# KiCad board WS2812B LED Ring7.kicad_pcb (continued)
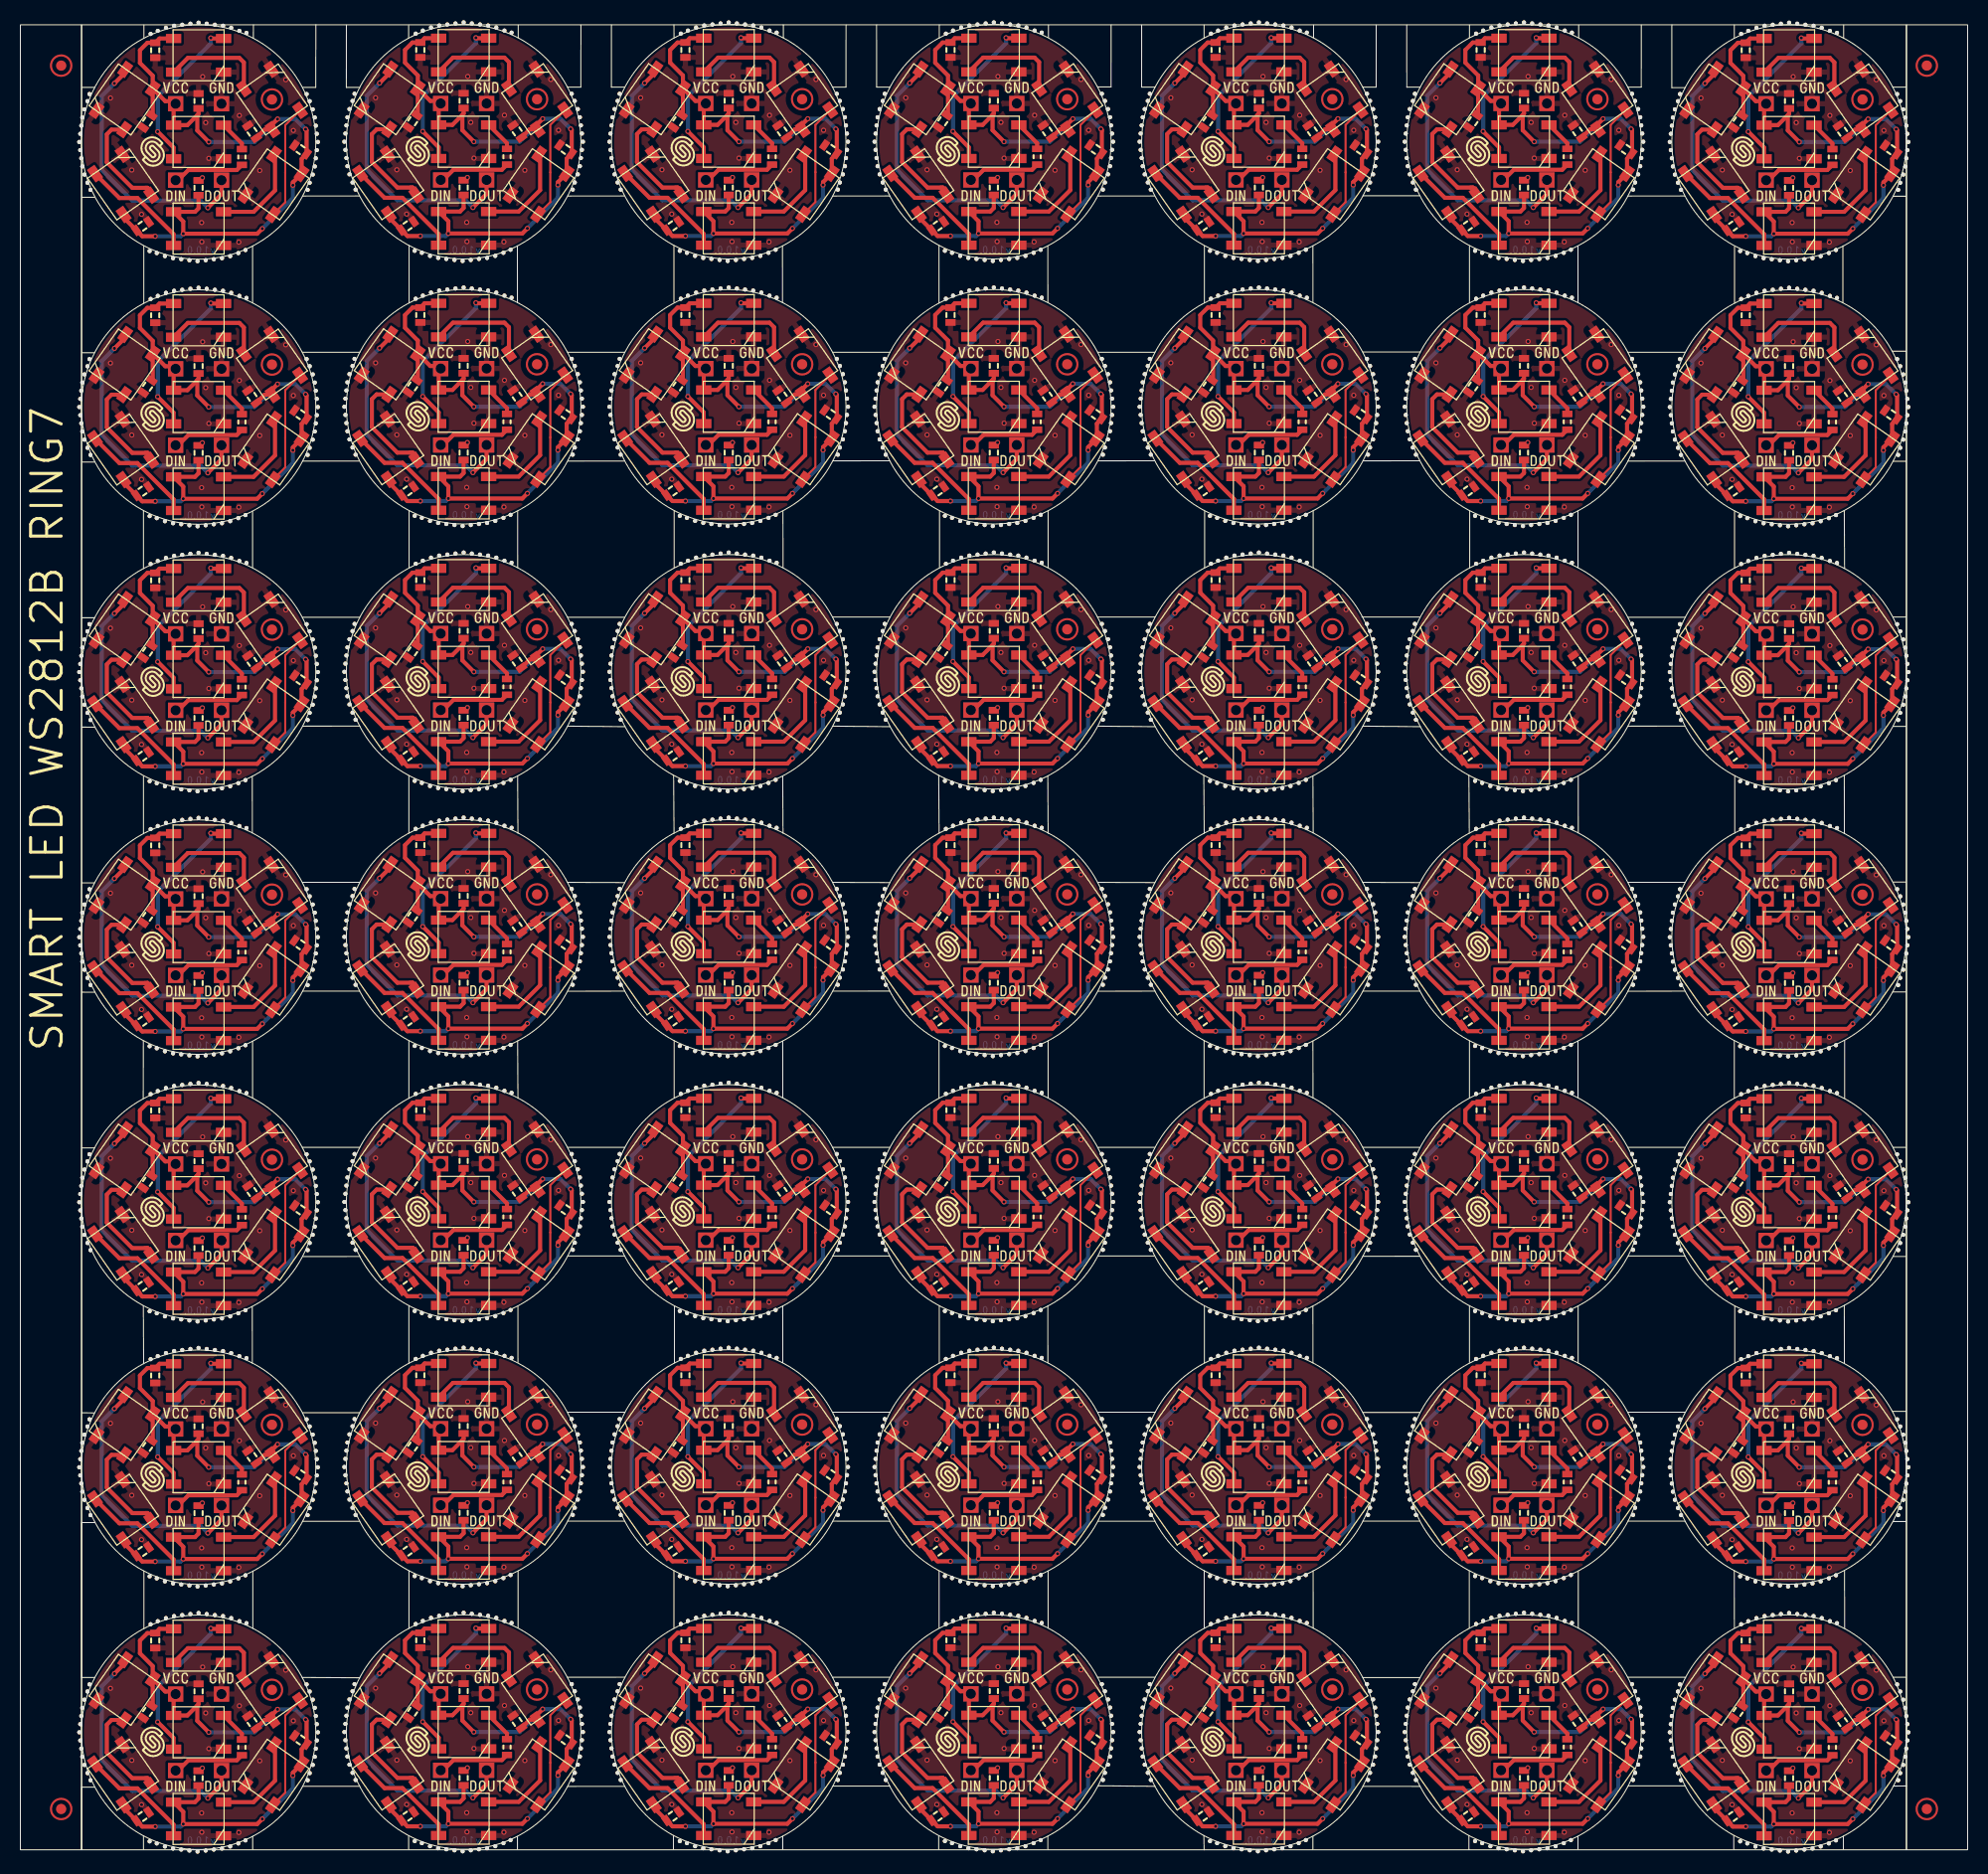
[diagram p0: board, top side]
## Placement (name value [footprint] x y rotation side) (continued)
G***#3  LOGO  [Logo-Back-OSH-3.5mm]  43.81 53.95 0 top
G***#4  LOGO  [Logo-Back-OSH-3.5mm]  69.81 27.95 0 top
G***#5  LOGO  [Logo-Back-OSH-3.5mm]  121.81 1.95 0 top
G***#6  LOGO  [Logo-Back-OSH-3.5mm]  43.81 105.95 0 top
G***#7  LOGO  [Logo-Back-OSH-3.5mm]  43.81 79.95 0 top
G***#8  LOGO  [Logo-Front-Soldered-3mm]  116.97 10.62 0 top
G***#9  LOGO  [Logo-Front-Soldered-3mm]  38.97 36.62 0 top
G***#10  LOGO  [Logo-Front-Soldered-3mm]  90.97 10.62 0 top
G***#11  LOGO  [Logo-Back-OSH-3.5mm]  121.81 27.95 0 top
G***#12  LOGO  [Logo-Back-OSH-3.5mm]  147.81 53.95 0 top
G***#13  LOGO  [Logo-Back-OSH-3.5mm]  173.81 131.92 0 top
G***#14  LOGO  [Logo-Front-Soldered-3mm]  12.97 140.59 0 top
G***#15  LOGO  [Logo-Front-Soldered-3mm]  64.97 166.62 0 top
G***#16  LOGO  [Logo-Front-Soldered-3mm]  38.97 62.62 0 top
G***#17  LOGO  [Logo-Back-OSH-3.5mm]  95.81 105.95 0 top
G***#18  LOGO  [Logo-Front-Soldered-3mm]  38.97 166.62 0 top
G***#19  LOGO  [Logo-Front-Soldered-3mm]  168.97 10.59 0 top
G***#20  LOGO  [Logo-Front-Soldered-3mm]  142.97 114.62 0 top
G***#21  LOGO  [Logo-Front-Soldered-3mm]  142.97 62.62 0 top
G***#22  LOGO  [Logo-Back-OSH-3.5mm]  147.81 27.95 0 top
G***#23  LOGO  [Logo-Front-Soldered-3mm]  90.97 166.62 0 top
G***#24  LOGO  [Logo-Back-OSH-3.5mm]  147.81 1.95 0 top
G***#25  LOGO  [Logo-Front-Soldered-3mm]  90.97 36.62 0 top
G***#26  LOGO  [Logo-Back-OSH-3.5mm]  95.81 131.95 0 top
G***#27  LOGO  [Logo-Front-Soldered-3mm]  116.97 166.62 0 top
G***#28  LOGO  [Logo-Back-OSH-3.5mm]  17.81 27.92 0 top
G***#29  LOGO  [Logo-Front-Soldered-3mm]  142.97 88.62 0 top
G***#30  LOGO  [Logo-Front-Soldered-3mm]  168.97 62.59 0 top
G***#31  LOGO  [Logo-Front-Soldered-3mm]  64.97 88.62 0 top
G***#32  LOGO  [Logo-Front-Soldered-3mm]  168.97 140.59 0 top
G***#33  LOGO  [Logo-Front-Soldered-3mm]  12.97 166.59 0 top
G***#34  LOGO  [Logo-Front-Soldered-3mm]  142.97 10.62 0 top
G***#35  LOGO  [Logo-Front-Soldered-3mm]  12.97 62.59 0 top
G***#36  LOGO  [Logo-Front-Soldered-3mm]  12.97 10.59 0 top
G***#37  LOGO  [Logo-Front-Soldered-3mm]  116.97 88.62 0 top
G***#38  LOGO  [Logo-Back-OSH-3.5mm]  173.81 79.92 0 top
G***#39  LOGO  [Logo-Back-OSH-3.5mm]  147.81 79.95 0 top
G***#40  LOGO  [Logo-Front-Soldered-3mm]  142.97 166.62 0 top
G***#41  LOGO  [Logo-Front-Soldered-3mm]  38.97 88.62 0 top
G***#42  LOGO  [Logo-Front-Soldered-3mm]  90.97 62.62 0 top
G***#43  LOGO  [Logo-Back-OSH-3.5mm]  17.81 53.92 0 top
G***#44  LOGO  [Logo-Back-OSH-3.5mm]  43.81 131.95 0 top
G***#45  LOGO  [Logo-Back-OSH-3.5mm]  69.81 157.95 0 top
G***#46  LOGO  [Logo-Back-OSH-3.5mm]  95.81 53.95 0 top
G***#47  LOGO  [Logo-Back-OSH-3.5mm]  17.81 131.92 0 top
G***#48  LOGO  [Logo-Back-OSH-3.5mm]  17.81 157.93 0 top
G***#49  LOGO  [Logo-Front-Soldered-3mm]  38.97 10.62 0 top
G***#50  LOGO  [Logo-Front-Soldered-3mm]  38.97 114.62 0 top
G***#51  LOGO  [Logo-Front-Soldered-3mm]  12.97 88.59 0 top
G***#52  LOGO  [Logo-Front-Soldered-3mm]  90.97 88.62 0 top
G***#53  LOGO  [Logo-Front-Soldered-3mm]  64.97 62.62 0 top
G***#54  LOGO  [Logo-Back-OSH-3.5mm]  121.81 157.95 0 top
G***#55  LOGO  [Logo-Back-OSH-3.5mm]  17.81 79.92 0 top
G***#56  LOGO  [Logo-Back-OSH-3.5mm]  121.81 131.95 0 top
G***#57  LOGO  [Logo-Back-OSH-3.5mm]  121.81 105.95 0 top
G***#58  LOGO  [Logo-Back-OSH-3.5mm]  43.81 1.95 0 top
G***#59  LOGO  [Logo-Front-Soldered-3mm]  64.97 114.62 0 top
G***#60  LOGO  [Logo-Front-Soldered-3mm]  116.97 36.62 0 top
G***#61  LOGO  [Logo-Front-Soldered-3mm]  168.97 166.59 0 top
G***#62  LOGO  [Logo-Front-Soldered-3mm]  12.97 114.59 0 top
G***#63  LOGO  [Logo-Back-OSH-3.5mm]  17.81 105.92 0 top
G***#64  LOGO  [Logo-Back-OSH-3.5mm]  173.81 157.93 0 top
G***#65  LOGO  [Logo-Front-Soldered-3mm]  168.97 88.59 0 top
G***#66  LOGO  [Logo-Front-Soldered-3mm]  116.97 62.62 0 top
G***#67  LOGO  [Logo-Front-Soldered-3mm]  90.97 114.62 0 top
G***#68  LOGO  [Logo-Front-Soldered-3mm]  12.97 36.59 0 top
G***#69  LOGO  [Logo-Front-Soldered-3mm]  38.97 140.62 0 top
G***#70  LOGO  [Logo-Back-OSH-3.5mm]  173.81 27.92 0 top
G***#71  LOGO  [Logo-Front-Soldered-3mm]  116.97 114.62 0 top
G***#72  LOGO  [Logo-Front-Soldered-3mm]  116.97 140.62 0 top
G***#73  LOGO  [Logo-Back-OSH-3.5mm]  121.81 79.95 0 top
G***#74  LOGO  [Logo-Back-OSH-3.5mm]  121.81 53.95 0 top
G***#75  LOGO  [Logo-Front-Soldered-3mm]  142.97 36.62 0 top
G***#76  LOGO  [Logo-Back-OSH-3.5mm]  147.81 131.95 0 top
G***#77  LOGO  [Logo-Front-Soldered-3mm]  168.97 114.59 0 top
G***#78  LOGO  [Logo-Back-OSH-3.5mm]  69.81 79.95 0 top
G***#79  LOGO  [Logo-Front-Soldered-3mm]  168.97 36.59 0 top
G***#80  LOGO  [Logo-Back-OSH-3.5mm]  173.81 105.92 0 top
G***#81  LOGO  [Logo-Back-OSH-3.5mm]  95.81 157.95 0 top
G***#82  LOGO  [Logo-Front-Soldered-3mm]  142.97 140.62 0 top
G***#83  LOGO  [Logo-Back-OSH-3.5mm]  43.81 27.95 0 top
G***#84  LOGO  [Logo-Front-Soldered-3mm]  64.97 36.62 0 top
G***#85  LOGO  [Logo-Back-OSH-3.5mm]  173.81 53.92 0 top
G***#86  LOGO  [Logo-Front-Soldered-3mm]  90.97 140.62 0 top
G***#87  LOGO  [Logo-Back-OSH-3.5mm]  173.81 1.93 0 top
G***#88  LOGO  [Logo-Back-OSH-3.5mm]  69.81 1.95 0 top
G***#89  LOGO  [Logo-Front-Soldered-3mm]  64.97 140.62 0 top
G***#90  LOGO  [Logo-Back-OSH-3.5mm]  69.81 105.95 0 top
G***#91  LOGO  [Logo-Back-OSH-3.5mm]  43.81 157.95 0 top
G***#92  LOGO  [Logo-Back-OSH-3.5mm]  69.81 53.95 0 top
G***#93  LOGO  [Logo-Front-Soldered-3mm]  64.97 10.62 0 top
G***#94  LOGO  [Logo-Back-OSH-3.5mm]  69.81 131.95 0 top
G***#95  LOGO  [Logo-Back-OSH-3.5mm]  95.81 79.95 0 top
G***#96  LOGO  [Logo-Back-OSH-3.5mm]  147.81 157.95 0 top
G***#97  LOGO  [Logo-Back-OSH-3.5mm]  95.81 1.95 0 top
G***#98  LOGO  [Logo-Back-OSH-3.5mm]  95.81 27.95 0 top
LED1  WS2812B  [WS2812B LED]  69.47 11.56 0 top
LED1#2  WS2812B  [WS2812B LED]  121.47 37.56 0 top
LED1#3  WS2812B  [WS2812B LED]  147.47 167.56 0 top
LED1#4  WS2812B  [WS2812B LED]  95.47 115.56 0 top
LED1#5  WS2812B  [WS2812B LED]  121.47 89.56 0 top
LED1#6  WS2812B  [WS2812B LED]  95.47 37.56 0 top
LED1#7  WS2812B  [WS2812B LED]  69.47 89.56 0 top
LED1#8  WS2812B  [WS2812B LED]  95.47 167.56 0 top
LED1#9  WS2812B  [WS2812B LED]  69.47 141.56 0 top
LED1#10  WS2812B  [WS2812B LED]  173.47 37.53 0 top
LED1#11  WS2812B  [WS2812B LED]  147.47 63.56 0 top
LED1#12  WS2812B  [WS2812B LED]  17.47 63.53 0 top
LED1#13  WS2812B  [WS2812B LED]  95.47 89.56 0 top
LED1#14  WS2812B  [WS2812B LED]  173.47 167.53 0 top
LED1#15  WS2812B  [WS2812B LED]  95.47 63.56 0 top
LED1#16  WS2812B  [WS2812B LED]  43.47 115.56 0 top
LED1#17  WS2812B  [WS2812B LED]  173.47 63.53 0 top
LED1#18  WS2812B  [WS2812B LED]  43.47 89.56 0 top
LED1#19  WS2812B  [WS2812B LED]  121.47 63.56 0 top
LED1#20  WS2812B  [WS2812B LED]  17.47 141.53 0 top
LED1#21  WS2812B  [WS2812B LED]  69.47 115.56 0 top
LED1#22  WS2812B  [WS2812B LED]  121.47 115.56 0 top
LED1#23  WS2812B  [WS2812B LED]  121.47 167.56 0 top
LED1#24  WS2812B  [WS2812B LED]  17.47 167.53 0 top
LED1#25  WS2812B  [WS2812B LED]  121.47 141.56 0 top
LED1#26  WS2812B  [WS2812B LED]  69.47 37.56 0 top
LED1#27  WS2812B  [WS2812B LED]  17.47 115.53 0 top
LED1#28  WS2812B  [WS2812B LED]  17.47 89.53 0 top
LED1#29  WS2812B  [WS2812B LED]  121.47 11.56 0 top
LED1#30  WS2812B  [WS2812B LED]  147.47 141.56 0 top
LED1#31  WS2812B  [WS2812B LED]  173.47 141.53 0 top
LED1#32  WS2812B  [WS2812B LED]  43.47 63.56 0 top
LED1#33  WS2812B  [WS2812B LED]  147.47 89.56 0 top
LED1#34  WS2812B  [WS2812B LED]  43.47 141.56 0 top
LED1#35  WS2812B  [WS2812B LED]  147.47 115.56 0 top
LED1#36  WS2812B  [WS2812B LED]  95.47 11.56 0 top
LED1#37  WS2812B  [WS2812B LED]  147.47 11.56 0 top
LED1#38  WS2812B  [WS2812B LED]  17.47 11.53 0 top
LED1#39  WS2812B  [WS2812B LED]  43.47 37.56 0 top
LED1#40  WS2812B  [WS2812B LED]  43.47 11.56 0 top
LED1#41  WS2812B  [WS2812B LED]  43.47 167.56 0 top
LED1#42  WS2812B  [WS2812B LED]  17.47 37.53 0 top
LED1#43  WS2812B  [WS2812B LED]  173.47 89.53 0 top
LED1#44  WS2812B  [WS2812B LED]  95.47 141.56 0 top
LED1#45  WS2812B  [WS2812B LED]  173.47 11.53 0 top
LED1#46  WS2812B  [WS2812B LED]  147.47 37.56 0 top
LED1#47  WS2812B  [WS2812B LED]  69.47 167.56 0 top
LED1#48  WS2812B  [WS2812B LED]  173.47 115.53 0 top
LED1#49  WS2812B  [WS2812B LED]  69.47 63.56 0 top
LED2  WS2812B  [WS2812B LED]  43.47 20.06 0 top
LED2#2  WS2812B  [WS2812B LED]  17.47 176.03 0 top
LED2#3  WS2812B  [WS2812B LED]  121.47 176.06 0 top
LED2#4  WS2812B  [WS2812B LED]  173.47 150.03 0 top
LED2#5  WS2812B  [WS2812B LED]  43.47 124.06 0 top
LED2#6  WS2812B  [WS2812B LED]  147.47 150.06 0 top
LED2#7  WS2812B  [WS2812B LED]  173.47 46.03 0 top
LED2#8  WS2812B  [WS2812B LED]  43.47 46.06 0 top
LED2#9  WS2812B  [WS2812B LED]  69.47 176.06 0 top
LED2#10  WS2812B  [WS2812B LED]  95.47 176.06 0 top
LED2#11  WS2812B  [WS2812B LED]  17.47 72.03 0 top
LED2#12  WS2812B  [WS2812B LED]  69.47 46.06 0 top
LED2#13  WS2812B  [WS2812B LED]  121.47 46.06 0 top
LED2#14  WS2812B  [WS2812B LED]  95.47 150.06 0 top
LED2#15  WS2812B  [WS2812B LED]  43.47 72.06 0 top
LED2#16  WS2812B  [WS2812B LED]  173.47 72.03 0 top
LED2#17  WS2812B  [WS2812B LED]  69.47 98.06 0 top
LED2#18  WS2812B  [WS2812B LED]  17.47 98.03 0 top
LED2#19  WS2812B  [WS2812B LED]  147.47 176.06 0 top
LED2#20  WS2812B  [WS2812B LED]  69.47 124.06 0 top
LED2#21  WS2812B  [WS2812B LED]  121.47 124.06 0 top
LED2#22  WS2812B  [WS2812B LED]  95.47 124.06 0 top
LED2#23  WS2812B  [WS2812B LED]  69.47 20.06 0 top
LED2#24  WS2812B  [WS2812B LED]  147.47 124.06 0 top
LED2#25  WS2812B  [WS2812B LED]  173.47 98.03 0 top
LED2#26  WS2812B  [WS2812B LED]  121.47 150.06 0 top
LED2#27  WS2812B  [WS2812B LED]  173.47 124.03 0 top
LED2#28  WS2812B  [WS2812B LED]  69.47 150.06 0 top
LED2#29  WS2812B  [WS2812B LED]  17.47 20.03 0 top
LED2#30  WS2812B  [WS2812B LED]  43.47 176.06 0 top
LED2#31  WS2812B  [WS2812B LED]  147.47 72.06 0 top
LED2#32  WS2812B  [WS2812B LED]  43.47 150.06 0 top
LED2#33  WS2812B  [WS2812B LED]  17.47 46.03 0 top
LED2#34  WS2812B  [WS2812B LED]  147.47 98.06 0 top
LED2#35  WS2812B  [WS2812B LED]  121.47 72.06 0 top
LED2#36  WS2812B  [WS2812B LED]  121.47 20.06 0 top
LED2#37  WS2812B  [WS2812B LED]  147.47 20.06 0 top
LED2#38  WS2812B  [WS2812B LED]  173.47 20.03 0 top
LED2#39  WS2812B  [WS2812B LED]  95.47 72.06 0 top
LED2#40  WS2812B  [WS2812B LED]  147.47 46.06 0 top
LED2#41  WS2812B  [WS2812B LED]  17.47 150.03 0 top
LED2#42  WS2812B  [WS2812B LED]  43.47 98.06 0 top
LED2#43  WS2812B  [WS2812B LED]  173.47 176.03 0 top
LED2#44  WS2812B  [WS2812B LED]  17.47 124.03 0 top
LED2#45  WS2812B  [WS2812B LED]  95.47 46.06 0 top
LED2#46  WS2812B  [WS2812B LED]  69.47 72.06 0 top
LED2#47  WS2812B  [WS2812B LED]  121.47 98.06 0 top
LED2#48  WS2812B  [WS2812B LED]  95.47 98.06 0 top
LED2#49  WS2812B  [WS2812B LED]  95.47 20.06 0 top
LED3  WS2812B  [WS2812B LED#3]  154.68 67.73 125 top
LED3#2  WS2812B  [WS2812B LED#3]  102.68 67.73 125 top
LED3#3  WS2812B  [WS2812B LED#3]  76.68 93.73 125 top
LED3#4  WS2812B  [WS2812B LED#3]  24.67 119.7 125 top
LED3#5  WS2812B  [WS2812B LED#3]  102.68 93.73 125 top
LED3#6  WS2812B  [WS2812B LED#3]  76.68 67.73 125 top
LED3#7  WS2812B  [WS2812B LED#3]  128.68 145.73 125 top
LED3#8  WS2812B  [WS2812B LED#3]  50.67 93.73 125 top
LED3#9  WS2812B  [WS2812B LED#3]  24.67 15.7 125 top
LED3#10  WS2812B  [WS2812B LED#3]  154.68 119.73 125 top
LED3#11  WS2812B  [WS2812B LED#3]  180.68 93.7 125 top
LED3#12  WS2812B  [WS2812B LED#3]  24.67 145.7 125 top
LED3#13  WS2812B  [WS2812B LED#3]  24.67 93.7 125 top
LED3#14  WS2812B  [WS2812B LED#3]  128.68 119.73 125 top
LED3#15  WS2812B  [WS2812B LED#3]  50.67 41.73 125 top
LED3#16  WS2812B  [WS2812B LED#3]  76.68 171.73 125 top
LED3#17  WS2812B  [WS2812B LED#3]  50.67 119.73 125 top
LED3#18  WS2812B  [WS2812B LED#3]  76.68 15.73 125 top
LED3#19  WS2812B  [WS2812B LED#3]  180.68 67.7 125 top
LED3#20  WS2812B  [WS2812B LED#3]  76.68 145.73 125 top
LED3#21  WS2812B  [WS2812B LED#3]  180.68 171.7 125 top
LED3#22  WS2812B  [WS2812B LED#3]  154.68 145.73 125 top
LED3#23  WS2812B  [WS2812B LED#3]  102.68 119.73 125 top
LED3#24  WS2812B  [WS2812B LED#3]  76.68 41.73 125 top
LED3#25  WS2812B  [WS2812B LED#3]  180.68 119.7 125 top
LED3#26  WS2812B  [WS2812B LED#3]  128.68 15.73 125 top
LED3#27  WS2812B  [WS2812B LED#3]  76.68 119.73 125 top
LED3#28  WS2812B  [WS2812B LED#3]  102.68 171.73 125 top
LED3#29  WS2812B  [WS2812B LED#3]  50.67 171.73 125 top
LED3#30  WS2812B  [WS2812B LED#3]  50.67 15.73 125 top
LED3#31  WS2812B  [WS2812B LED#3]  102.68 41.73 125 top
LED3#32  WS2812B  [WS2812B LED#3]  102.68 145.73 125 top
LED3#33  WS2812B  [WS2812B LED#3]  154.68 15.73 125 top
LED3#34  WS2812B  [WS2812B LED#3]  180.68 41.7 125 top
LED3#35  WS2812B  [WS2812B LED#3]  154.68 93.73 125 top
LED3#36  WS2812B  [WS2812B LED#3]  154.68 171.73 125 top
LED3#37  WS2812B  [WS2812B LED#3]  50.67 67.73 125 top
LED3#38  WS2812B  [WS2812B LED#3]  50.67 145.73 125 top
LED3#39  WS2812B  [WS2812B LED#3]  128.68 41.73 125 top
LED3#40  WS2812B  [WS2812B LED#3]  180.68 15.7 125 top
LED3#41  WS2812B  [WS2812B LED#3]  154.68 41.73 125 top
LED3#42  WS2812B  [WS2812B LED#3]  24.67 171.7 125 top
LED3#43  WS2812B  [WS2812B LED#3]  24.67 41.7 125 top
LED3#44  WS2812B  [WS2812B LED#3]  128.68 93.73 125 top
LED3#45  WS2812B  [WS2812B LED#3]  128.68 67.73 125 top
LED3#46  WS2812B  [WS2812B LED#3]  102.68 15.73 125 top
LED3#47  WS2812B  [WS2812B LED#3]  24.67 67.7 125 top
LED3#48  WS2812B  [WS2812B LED#3]  128.68 171.73 125 top
LED3#49  WS2812B  [WS2812B LED#3]  180.68 145.7 125 top
LED4  WS2812B  [WS2812B LED#2]  128.82 137.39 235 top
LED4#2  WS2812B  [WS2812B LED#2]  50.83 163.39 235 top
LED4#3  WS2812B  [WS2812B LED#2]  24.83 33.37 235 top
LED4#4  WS2812B  [WS2812B LED#2]  128.82 85.39 235 top
LED4#5  WS2812B  [WS2812B LED#2]  128.82 111.39 235 top
LED4#6  WS2812B  [WS2812B LED#2]  76.82 137.39 235 top
LED4#7  WS2812B  [WS2812B LED#2]  180.82 163.37 235 top
LED4#8  WS2812B  [WS2812B LED#2]  128.82 33.39 235 top
LED4#9  WS2812B  [WS2812B LED#2]  154.82 59.39 235 top
LED4#10  WS2812B  [WS2812B LED#2]  76.82 33.39 235 top
LED4#11  WS2812B  [WS2812B LED#2]  128.82 163.39 235 top
LED4#12  WS2812B  [WS2812B LED#2]  102.82 33.39 235 top
LED4#13  WS2812B  [WS2812B LED#2]  154.82 85.39 235 top
LED4#14  WS2812B  [WS2812B LED#2]  154.82 7.39 235 top
LED4#15  WS2812B  [WS2812B LED#2]  24.83 85.37 235 top
LED4#16  WS2812B  [WS2812B LED#2]  128.82 7.39 235 top
LED4#17  WS2812B  [WS2812B LED#2]  76.82 7.39 235 top
LED4#18  WS2812B  [WS2812B LED#2]  50.83 85.39 235 top
LED4#19  WS2812B  [WS2812B LED#2]  180.82 137.37 235 top
LED4#20  WS2812B  [WS2812B LED#2]  154.82 111.39 235 top
LED4#21  WS2812B  [WS2812B LED#2]  180.82 33.37 235 top
LED4#22  WS2812B  [WS2812B LED#2]  154.82 33.39 235 top
LED4#23  WS2812B  [WS2812B LED#2]  180.82 59.37 235 top
LED4#24  WS2812B  [WS2812B LED#2]  128.82 59.39 235 top
LED4#25  WS2812B  [WS2812B LED#2]  50.83 59.39 235 top
LED4#26  WS2812B  [WS2812B LED#2]  24.83 59.37 235 top
LED4#27  WS2812B  [WS2812B LED#2]  102.82 85.39 235 top
LED4#28  WS2812B  [WS2812B LED#2]  154.82 163.39 235 top
LED4#29  WS2812B  [WS2812B LED#2]  50.83 33.39 235 top
LED4#30  WS2812B  [WS2812B LED#2]  76.82 163.39 235 top
LED4#31  WS2812B  [WS2812B LED#2]  102.82 137.39 235 top
LED4#32  WS2812B  [WS2812B LED#2]  102.82 59.39 235 top
LED4#33  WS2812B  [WS2812B LED#2]  76.82 111.39 235 top
LED4#34  WS2812B  [WS2812B LED#2]  102.82 111.39 235 top
LED4#35  WS2812B  [WS2812B LED#2]  180.82 111.37 235 top
LED4#36  WS2812B  [WS2812B LED#2]  102.82 7.39 235 top
LED4#37  WS2812B  [WS2812B LED#2]  154.82 137.39 235 top
LED4#38  WS2812B  [WS2812B LED#2]  102.82 163.39 235 top
LED4#39  WS2812B  [WS2812B LED#2]  24.83 137.37 235 top
LED4#40  WS2812B  [WS2812B LED#2]  180.82 85.37 235 top
LED4#41  WS2812B  [WS2812B LED#2]  76.82 85.39 235 top
LED4#42  WS2812B  [WS2812B LED#2]  50.83 137.39 235 top
LED4#43  WS2812B  [WS2812B LED#2]  180.82 7.37 235 top
LED4#44  WS2812B  [WS2812B LED#2]  24.83 111.37 235 top
LED4#45  WS2812B  [WS2812B LED#2]  76.82 59.39 235 top
LED4#46  WS2812B  [WS2812B LED#2]  50.83 111.39 235 top
LED4#47  WS2812B  [WS2812B LED#2]  50.83 7.39 235 top
LED4#48  WS2812B  [WS2812B LED#2]  24.83 163.37 235 top
LED4#49  WS2812B  [WS2812B LED#2]  24.83 7.37 235 top
LED5  WS2812B  [WS2812B LED]  43.47 3.06 0 top
LED5#2  WS2812B  [WS2812B LED]  95.47 159.06 0 top
LED5#3  WS2812B  [WS2812B LED]  69.47 81.06 0 top
LED5#4  WS2812B  [WS2812B LED]  147.47 55.06 0 top
LED5#5  WS2812B  [WS2812B LED]  173.47 133.03 0 top
LED5#6  WS2812B  [WS2812B LED]  147.47 81.06 0 top
LED5#7  WS2812B  [WS2812B LED]  147.47 3.06 0 top
LED5#8  WS2812B  [WS2812B LED]  69.47 55.06 0 top
LED5#9  WS2812B  [WS2812B LED]  43.47 133.06 0 top
LED5#10  WS2812B  [WS2812B LED]  147.47 107.06 0 top
LED5#11  WS2812B  [WS2812B LED]  69.47 3.06 0 top
LED5#12  WS2812B  [WS2812B LED]  17.47 133.03 0 top
LED5#13  WS2812B  [WS2812B LED]  95.47 107.06 0 top
LED5#14  WS2812B  [WS2812B LED]  95.47 3.06 0 top
LED5#15  WS2812B  [WS2812B LED]  95.47 81.06 0 top
LED5#16  WS2812B  [WS2812B LED]  121.47 29.06 0 top
LED5#17  WS2812B  [WS2812B LED]  173.47 81.03 0 top
LED5#18  WS2812B  [WS2812B LED]  17.47 29.03 0 top
LED5#19  WS2812B  [WS2812B LED]  95.47 133.06 0 top
LED5#20  WS2812B  [WS2812B LED]  43.47 81.06 0 top
LED5#21  WS2812B  [WS2812B LED]  17.47 107.03 0 top
LED5#22  WS2812B  [WS2812B LED]  69.47 107.06 0 top
LED5#23  WS2812B  [WS2812B LED]  121.47 55.06 0 top
LED5#24  WS2812B  [WS2812B LED]  17.47 81.03 0 top
LED5#25  WS2812B  [WS2812B LED]  69.47 133.06 0 top
LED5#26  WS2812B  [WS2812B LED]  121.47 133.06 0 top
LED5#27  WS2812B  [WS2812B LED]  121.47 107.06 0 top
LED5#28  WS2812B  [WS2812B LED]  95.47 29.06 0 top
LED5#29  WS2812B  [WS2812B LED]  173.47 55.03 0 top
LED5#30  WS2812B  [WS2812B LED]  43.47 159.06 0 top
LED5#31  WS2812B  [WS2812B LED]  43.47 29.06 0 top
LED5#32  WS2812B  [WS2812B LED]  147.47 29.06 0 top
LED5#33  WS2812B  [WS2812B LED]  121.47 81.06 0 top
LED5#34  WS2812B  [WS2812B LED]  147.47 133.06 0 top
LED5#35  WS2812B  [WS2812B LED]  147.47 159.06 0 top
LED5#36  WS2812B  [WS2812B LED]  173.47 159.03 0 top
LED5#37  WS2812B  [WS2812B LED]  173.47 29.03 0 top
LED5#38  WS2812B  [WS2812B LED]  173.47 107.03 0 top
LED5#39  WS2812B  [WS2812B LED]  43.47 55.06 0 top
LED5#40  WS2812B  [WS2812B LED]  43.47 107.06 0 top
LED5#41  WS2812B  [WS2812B LED]  69.47 159.06 0 top
LED5#42  WS2812B  [WS2812B LED]  173.47 3.03 0 top
LED5#43  WS2812B  [WS2812B LED]  17.47 159.03 0 top
LED5#44  WS2812B  [WS2812B LED]  121.47 159.06 0 top
LED5#45  WS2812B  [WS2812B LED]  17.47 3.03 0 top
LED5#46  WS2812B  [WS2812B LED]  121.47 3.06 0 top
LED5#47  WS2812B  [WS2812B LED]  17.47 55.03 0 top
LED5#48  WS2812B  [WS2812B LED]  95.47 55.06 0 top
LED5#49  WS2812B  [WS2812B LED]  69.47 29.06 0 top
LED6  WS2812B  [WS2812B LED#3]  88.07 59.39 125 top
LED6#2  WS2812B  [WS2812B LED#3]  36.08 33.39 125 top
LED6#3  WS2812B  [WS2812B LED#3]  62.07 85.39 125 top
LED6#4  WS2812B  [WS2812B LED#3]  10.08 59.37 125 top
LED6#5  WS2812B  [WS2812B LED#3]  140.07 111.39 125 top
LED6#6  WS2812B  [WS2812B LED#3]  88.07 33.39 125 top
LED6#7  WS2812B  [WS2812B LED#3]  88.07 111.39 125 top
LED6#8  WS2812B  [WS2812B LED#3]  10.08 163.37 125 top
LED6#9  WS2812B  [WS2812B LED#3]  88.07 7.39 125 top
LED6#10  WS2812B  [WS2812B LED#3]  88.07 85.39 125 top
LED6#11  WS2812B  [WS2812B LED#3]  114.07 59.39 125 top
LED6#12  WS2812B  [WS2812B LED#3]  140.07 137.39 125 top
LED6#13  WS2812B  [WS2812B LED#3]  114.07 137.39 125 top
LED6#14  WS2812B  [WS2812B LED#3]  166.07 111.37 125 top
LED6#15  WS2812B  [WS2812B LED#3]  114.07 7.39 125 top
LED6#16  WS2812B  [WS2812B LED#3]  114.07 85.39 125 top
LED6#17  WS2812B  [WS2812B LED#3]  114.07 163.39 125 top
LED6#18  WS2812B  [WS2812B LED#3]  166.07 163.37 125 top
LED6#19  WS2812B  [WS2812B LED#3]  140.07 163.39 125 top
LED6#20  WS2812B  [WS2812B LED#3]  62.07 33.39 125 top
LED6#21  WS2812B  [WS2812B LED#3]  114.07 33.39 125 top
LED6#22  WS2812B  [WS2812B LED#3]  140.07 85.39 125 top
LED6#23  WS2812B  [WS2812B LED#3]  88.07 163.39 125 top
LED6#24  WS2812B  [WS2812B LED#3]  140.07 59.39 125 top
LED6#25  WS2812B  [WS2812B LED#3]  166.07 59.37 125 top
LED6#26  WS2812B  [WS2812B LED#3]  166.07 7.37 125 top
LED6#27  WS2812B  [WS2812B LED#3]  62.07 111.39 125 top
LED6#28  WS2812B  [WS2812B LED#3]  166.07 33.37 125 top
LED6#29  WS2812B  [WS2812B LED#3]  166.07 85.37 125 top
LED6#30  WS2812B  [WS2812B LED#3]  10.08 111.37 125 top
LED6#31  WS2812B  [WS2812B LED#3]  10.08 85.37 125 top
LED6#32  WS2812B  [WS2812B LED#3]  114.07 111.39 125 top
LED6#33  WS2812B  [WS2812B LED#3]  62.07 59.39 125 top
LED6#34  WS2812B  [WS2812B LED#3]  36.08 59.39 125 top
LED6#35  WS2812B  [WS2812B LED#3]  36.08 85.39 125 top
LED6#36  WS2812B  [WS2812B LED#3]  36.08 137.39 125 top
LED6#37  WS2812B  [WS2812B LED#3]  36.08 7.39 125 top
LED6#38  WS2812B  [WS2812B LED#3]  62.07 7.39 125 top
LED6#39  WS2812B  [WS2812B LED#3]  88.07 137.39 125 top
LED6#40  WS2812B  [WS2812B LED#3]  166.07 137.37 125 top
LED6#41  WS2812B  [WS2812B LED#3]  36.08 111.39 125 top
LED6#42  WS2812B  [WS2812B LED#3]  140.07 33.39 125 top
LED6#43  WS2812B  [WS2812B LED#3]  10.08 7.37 125 top
LED6#44  WS2812B  [WS2812B LED#3]  10.08 137.37 125 top
LED6#45  WS2812B  [WS2812B LED#3]  62.07 163.39 125 top
LED6#46  WS2812B  [WS2812B LED#3]  62.07 137.39 125 top
LED6#47  WS2812B  [WS2812B LED#3]  140.07 7.39 125 top
LED6#48  WS2812B  [WS2812B LED#3]  36.08 163.39 125 top
LED6#49  WS2812B  [WS2812B LED#3]  10.08 33.37 125 top
LED7  WS2812B  [WS2812B LED#2]  36.22 67.73 235 top
LED7#2  WS2812B  [WS2812B LED#2]  10.22 15.7 235 top
LED7#3  WS2812B  [WS2812B LED#2]  10.22 119.7 235 top
LED7#4  WS2812B  [WS2812B LED#2]  166.22 171.7 235 top
LED7#5  WS2812B  [WS2812B LED#2]  88.22 119.73 235 top
LED7#6  WS2812B  [WS2812B LED#2]  62.22 93.73 235 top
LED7#7  WS2812B  [WS2812B LED#2]  166.22 67.7 235 top
LED7#8  WS2812B  [WS2812B LED#2]  62.22 171.73 235 top
LED7#9  WS2812B  [WS2812B LED#2]  10.22 67.7 235 top
LED7#10  WS2812B  [WS2812B LED#2]  140.22 15.73 235 top
LED7#11  WS2812B  [WS2812B LED#2]  166.22 119.7 235 top
LED7#12  WS2812B  [WS2812B LED#2]  88.22 171.73 235 top
LED7#13  WS2812B  [WS2812B LED#2]  140.22 119.73 235 top
LED7#14  WS2812B  [WS2812B LED#2]  166.22 145.7 235 top
LED7#15  WS2812B  [WS2812B LED#2]  88.22 145.73 235 top
LED7#16  WS2812B  [WS2812B LED#2]  36.22 93.73 235 top
LED7#17  WS2812B  [WS2812B LED#2]  88.22 15.73 235 top
LED7#18  WS2812B  [WS2812B LED#2]  88.22 93.73 235 top
LED7#19  WS2812B  [WS2812B LED#2]  62.22 67.73 235 top
LED7#20  WS2812B  [WS2812B LED#2]  10.22 93.7 235 top
LED7#21  WS2812B  [WS2812B LED#2]  88.22 41.73 235 top
LED7#22  WS2812B  [WS2812B LED#2]  10.22 145.7 235 top
LED7#23  WS2812B  [WS2812B LED#2]  114.22 15.73 235 top
LED7#24  WS2812B  [WS2812B LED#2]  114.22 41.73 235 top
LED7#25  WS2812B  [WS2812B LED#2]  36.22 171.73 235 top
LED7#26  WS2812B  [WS2812B LED#2]  140.22 145.73 235 top
LED7#27  WS2812B  [WS2812B LED#2]  166.22 93.7 235 top
LED7#28  WS2812B  [WS2812B LED#2]  114.22 67.73 235 top
LED7#29  WS2812B  [WS2812B LED#2]  62.22 41.73 235 top
LED7#30  WS2812B  [WS2812B LED#2]  62.22 119.73 235 top
LED7#31  WS2812B  [WS2812B LED#2]  140.22 93.73 235 top
LED7#32  WS2812B  [WS2812B LED#2]  140.22 67.73 235 top
LED7#33  WS2812B  [WS2812B LED#2]  114.22 171.73 235 top
LED7#34  WS2812B  [WS2812B LED#2]  10.22 41.7 235 top
LED7#35  WS2812B  [WS2812B LED#2]  36.22 119.73 235 top
LED7#36  WS2812B  [WS2812B LED#2]  166.22 15.7 235 top
LED7#37  WS2812B  [WS2812B LED#2]  36.22 145.73 235 top
LED7#38  WS2812B  [WS2812B LED#2]  62.22 145.73 235 top
LED7#39  WS2812B  [WS2812B LED#2]  166.22 41.7 235 top
LED7#40  WS2812B  [WS2812B LED#2]  36.22 41.73 235 top
LED7#41  WS2812B  [WS2812B LED#2]  114.22 119.73 235 top
LED7#42  WS2812B  [WS2812B LED#2]  114.22 145.73 235 top
LED7#43  WS2812B  [WS2812B LED#2]  88.22 67.73 235 top
LED7#44  WS2812B  [WS2812B LED#2]  10.22 171.7 235 top
LED7#45  WS2812B  [WS2812B LED#2]  36.22 15.73 235 top
LED7#46  WS2812B  [WS2812B LED#2]  140.22 41.73 235 top
LED7#47  WS2812B  [WS2812B LED#2]  114.22 93.73 235 top
LED7#48  WS2812B  [WS2812B LED#2]  62.22 15.73 235 top
LED7#49  WS2812B  [WS2812B LED#2]  140.22 171.73 235 top
NOREF  -  [buzzardLabel]  145.22 94.86 0 top
NOREF#2  -  [buzzardLabel]  119.22 162.26 0 top
NOREF#3  -  [buzzardLabel]  123.72 16.86 0 top
NOREF#4  -  [buzzardLabel]  119.22 84.26 0 top
NOREF#5  -  [buzzardLabel]  175.72 146.83 0 top
NOREF#6  -  [buzzardLabel]  41.22 68.86 0 top
NOREF#7  -  [buzzardLabel]  119.22 94.86 0 top
NOREF#8  -  [buzzardLabel]  171.22 110.23 0 top
NOREF#9  -  [buzzardLabel]  123.72 68.86 0 top
NOREF#10  -  [buzzardLabel]  119.22 32.26 0 top
NOREF#11  -  [buzzardLabel]  45.72 84.26 0 top
NOREF#12  -  [buzzardLabel]  171.22 136.23 0 top
NOREF#13  -  [buzzardLabel]  41.22 136.26 0 top
NOREF#14  -  [buzzardLabel]  123.72 6.26 0 top
NOREF#15  -  [buzzardLabel]  175.72 162.23 0 top
NOREF#16  -  [buzzardLabel]  93.22 172.86 0 top
NOREF#17  -  [buzzardLabel]  149.72 42.86 0 top
NOREF#18  -  [buzzardLabel]  145.22 172.86 0 top
NOREF#19  -  [buzzardLabel]  175.72 84.23 0 top
NOREF#20  -  [buzzardLabel]  119.22 6.26 0 top
NOREF#21  -  [buzzardLabel]  71.72 94.86 0 top
NOREF#22  -  [buzzardLabel]  41.22 94.86 0 top
NOREF#23  -  [buzzardLabel]  15.22 120.83 0 top
NOREF#24  -  [buzzardLabel]  15.22 42.83 0 top
NOREF#25  -  [buzzardLabel]  93.22 16.86 0 top
NOREF#26  -  [buzzardLabel]  41.22 42.86 0 top
NOREF#27  -  [buzzardLabel]  93.22 58.26 0 top
NOREF#28  -  [buzzardLabel]  45.72 110.26 0 top
NOREF#29  -  [buzzardLabel]  67.22 42.86 0 top
NOREF#30  -  [buzzardLabel]  97.72 58.26 0 top
NOREF#31  -  [buzzardLabel]  71.72 6.26 0 top
NOREF#32  -  [buzzardLabel]  119.22 172.86 0 top
NOREF#33  -  [buzzardLabel]  71.72 84.26 0 top
NOREF#34  -  [buzzardLabel]  15.22 162.23 0 top
NOREF#35  -  [buzzardLabel]  45.72 146.86 0 top
NOREF#36  -  [buzzardLabel]  19.72 136.23 0 top
NOREF#37  -  [buzzardLabel]  19.72 120.83 0 top
NOREF#38  -  [buzzardLabel]  123.72 58.26 0 top
NOREF#39  -  [buzzardLabel]  71.72 120.86 0 top
NOREF#40  -  [buzzardLabel]  41.22 120.86 0 top
NOREF#41  -  [buzzardLabel]  145.22 120.86 0 top
NOREF#42  -  [buzzardLabel]  67.22 172.86 0 top
NOREF#43  -  [buzzardLabel]  71.72 58.26 0 top
NOREF#44  -  [buzzardLabel]  67.22 120.86 0 top
NOREF#45  -  [buzzardLabel]  93.22 94.86 0 top
NOREF#46  -  [buzzardLabel]  171.22 146.83 0 top
NOREF#47  -  [buzzardLabel]  171.22 84.23 0 top
NOREF#48  -  [buzzardLabel]  45.72 172.86 0 top
NOREF#49  -  [buzzardLabel]  175.72 42.83 0 top
NOREF#50  -  [buzzardLabel]  171.22 172.83 0 top
NOREF#51  -  [buzzardLabel]  19.72 172.83 0 top
NOREF#52  -  [buzzardLabel]  123.72 146.86 0 top
NOREF#53  -  [buzzardLabel]  149.72 58.26 0 top
NOREF#54  -  [buzzardLabel]  71.72 172.86 0 top
NOREF#55  -  [buzzardLabel]  19.72 42.83 0 top
NOREF#56  -  [buzzardLabel]  145.22 68.86 0 top
NOREF#57  -  [buzzardLabel]  97.72 162.26 0 top
NOREF#58  -  [buzzardLabel]  67.22 162.26 0 top
NOREF#59  -  [buzzardLabel]  71.72 146.86 0 top
NOREF#60  -  [buzzardLabel]  123.72 136.26 0 top
NOREF#61  -  [buzzardLabel]  71.72 136.26 0 top
NOREF#62  -  [buzzardLabel]  67.22 146.86 0 top
NOREF#63  -  [buzzardLabel]  119.22 146.86 0 top
NOREF#64  -  [buzzardLabel]  45.72 16.86 0 top
NOREF#65  -  [buzzardLabel]  67.22 68.86 0 top
NOREF#66  -  [buzzardLabel]  45.72 32.26 0 top
NOREF#67  -  [buzzardLabel]  171.22 16.83 0 top
NOREF#68  -  [buzzardLabel]  67.22 110.26 0 top
NOREF#69  -  [buzzardLabel]  97.72 32.26 0 top
NOREF#70  -  [buzzardLabel]  93.22 110.26 0 top
NOREF#71  -  [buzzardLabel]  93.22 146.86 0 top
NOREF#72  -  [buzzardLabel]  15.22 58.23 0 top
NOREF#73  -  [buzzardLabel]  97.72 146.86 0 top
NOREF#74  -  [buzzardLabel]  97.72 42.86 0 top
NOREF#75  -  [buzzardLabel]  97.72 84.26 0 top
NOREF#76  -  [buzzardLabel]  19.72 162.23 0 top
NOREF#77  -  [buzzardLabel]  45.72 58.26 0 top
NOREF#78  -  [buzzardLabel]  171.22 6.23 0 top
NOREF#79  -  [buzzardLabel]  15.22 32.23 0 top
NOREF#80  -  [buzzardLabel]  145.22 6.26 0 top
NOREF#81  -  [buzzardLabel]  15.22 146.83 0 top
NOREF#82  -  [buzzardLabel]  41.22 16.86 0 top
NOREF#83  -  [buzzardLabel]  41.22 58.26 0 top
NOREF#84  -  [buzzardLabel]  15.22 172.83 0 top
NOREF#85  -  [buzzardLabel]  149.72 68.86 0 top
NOREF#86  -  [buzzardLabel]  19.72 110.23 0 top
NOREF#87  -  [buzzardLabel]  15.22 136.23 0 top
NOREF#88  -  [buzzardLabel]  123.72 162.26 0 top
NOREF#89  -  [buzzardLabel]  45.72 68.86 0 top
NOREF#90  -  [buzzardLabel]  175.72 32.23 0 top
NOREF#91  -  [buzzardLabel]  145.22 32.26 0 top
NOREF#92  -  [buzzardLabel]  149.72 146.86 0 top
NOREF#93  -  [buzzardLabel]  149.72 84.26 0 top
NOREF#94  -  [buzzardLabel]  171.22 68.83 0 top
NOREF#95  -  [buzzardLabel]  45.72 120.86 0 top
NOREF#96  -  [buzzardLabel]  97.72 110.26 0 top
NOREF#97  -  [buzzardLabel]  15.22 16.83 0 top
NOREF#98  -  [buzzardLabel]  149.72 16.86 0 top
NOREF#99  -  [buzzardLabel]  19.72 58.23 0 top
NOREF#100  -  [buzzardLabel]  67.22 16.86 0 top
NOREF#101  -  [buzzardLabel]  149.72 172.86 0 top
NOREF#102  -  [buzzardLabel]  175.72 136.23 0 top
NOREF#103  -  [buzzardLabel]  145.22 58.26 0 top
NOREF#104  -  [buzzardLabel]  15.22 94.83 0 top
NOREF#105  -  [buzzardLabel]  123.72 94.86 0 top
NOREF#106  -  [buzzardLabel]  93.22 68.86 0 top
NOREF#107  -  [buzzardLabel]  145.22 162.26 0 top
NOREF#108  -  [buzzardLabel]  97.72 6.26 0 top
NOREF#109  -  [buzzardLabel]  67.22 94.86 0 top
NOREF#110  -  [buzzardLabel]  41.22 162.26 0 top
NOREF#111  -  [buzzardLabel]  19.72 32.23 0 top
NOREF#112  -  [buzzardLabel]  45.72 42.86 0 top
NOREF#113  -  [buzzardLabel]  119.22 58.26 0 top
NOREF#114  -  [buzzardLabel]  45.72 6.26 0 top
NOREF#115  -  [buzzardLabel]  145.22 16.86 0 top
NOREF#116  -  [buzzardLabel]  19.72 68.83 0 top
NOREF#117  -  [buzzardLabel]  41.22 32.26 0 top
NOREF#118  -  [buzzardLabel]  45.72 136.26 0 top
NOREF#119  -  [buzzardLabel]  123.72 120.86 0 top
NOREF#120  -  [buzzardLabel]  19.72 6.23 0 top
NOREF#121  -  [buzzardLabel]  123.72 42.86 0 top
NOREF#122  -  [buzzardLabel]  171.22 120.83 0 top
NOREF#123  -  [buzzardLabel]  15.22 68.83 0 top
NOREF#124  -  [buzzardLabel]  97.72 16.86 0 top
NOREF#125  -  [buzzardLabel]  119.22 68.86 0 top
NOREF#126  -  [buzzardLabel]  145.22 146.86 0 top
NOREF#127  -  [buzzardLabel]  149.72 162.26 0 top
NOREF#128  -  [buzzardLabel]  149.72 120.86 0 top
NOREF#129  -  [buzzardLabel]  19.72 94.83 0 top
NOREF#130  -  [buzzardLabel]  41.22 146.86 0 top
NOREF#131  -  [buzzardLabel]  45.72 162.26 0 top
NOREF#132  -  [buzzardLabel]  19.72 84.23 0 top
NOREF#133  -  [buzzardLabel]  149.72 136.26 0 top
NOREF#134  -  [buzzardLabel]  71.72 42.86 0 top
NOREF#135  -  [buzzardLabel]  41.22 110.26 0 top
NOREF#136  -  [buzzardLabel]  67.22 6.26 0 top
NOREF#137  -  [buzzardLabel]  97.72 68.86 0 top
NOREF#138  -  [buzzardLabel]  71.72 16.86 0 top
NOREF#139  -  [buzzardLabel]  123.72 172.86 0 top
NOREF#140  -  [buzzardLabel]  19.72 16.83 0 top
NOREF#141  -  [buzzardLabel]  97.72 94.86 0 top
NOREF#142  -  [buzzardLabel]  97.72 136.26 0 top
NOREF#143  -  [buzzardLabel]  119.22 120.86 0 top
NOREF#144  -  [buzzardLabel]  171.22 32.23 0 top
NOREF#145  -  [buzzardLabel]  71.72 32.26 0 top
NOREF#146  -  [buzzardLabel]  175.72 172.83 0 top
NOREF#147  -  [buzzardLabel]  123.72 110.26 0 top
NOREF#148  -  [buzzardLabel]  93.22 42.86 0 top
NOREF#149  -  [buzzardLabel]  171.22 94.83 0 top
NOREF#150  -  [buzzardLabel]  71.72 68.86 0 top
NOREF#151  -  [buzzardLabel]  119.22 42.86 0 top
NOREF#152  -  [buzzardLabel]  171.22 162.23 0 top
NOREF#153  -  [buzzardLabel]  41.22 6.26 0 top
NOREF#154  -  [buzzardLabel]  119.22 110.26 0 top
NOREF#155  -  [buzzardLabel]  71.72 110.26 0 top
NOREF#156  -  [buzzardLabel]  15.22 110.23 0 top
NOREF#157  -  [buzzardLabel]  93.22 84.26 0 top
NOREF#158  -  [buzzardLabel]  171.22 42.83 0 top
NOREF#159  -  [buzzardLabel]  41.22 84.26 0 top
NOREF#160  -  [buzzardLabel]  97.72 172.86 0 top
NOREF#161  -  [buzzardLabel]  119.22 16.86 0 top
NOREF#162  -  [buzzardLabel]  123.72 84.26 0 top
NOREF#163  -  [buzzardLabel]  123.72 32.26 0 top
NOREF#164  -  [buzzardLabel]  145.22 136.26 0 top
NOREF#165  -  [buzzardLabel]  149.72 94.86 0 top
NOREF#166  -  [buzzardLabel]  45.72 94.86 0 top
NOREF#167  -  [buzzardLabel]  67.22 58.26 0 top
NOREF#168  -  [buzzardLabel]  93.22 6.26 0 top
NOREF#169  -  [buzzardLabel]  71.72 162.26 0 top
NOREF#170  -  [buzzardLabel]  175.72 120.83 0 top
